# Altium PCB FMC_ADC_250M_16B_4ch_pcb.PcbDoc (part 7 of 8) (continued)
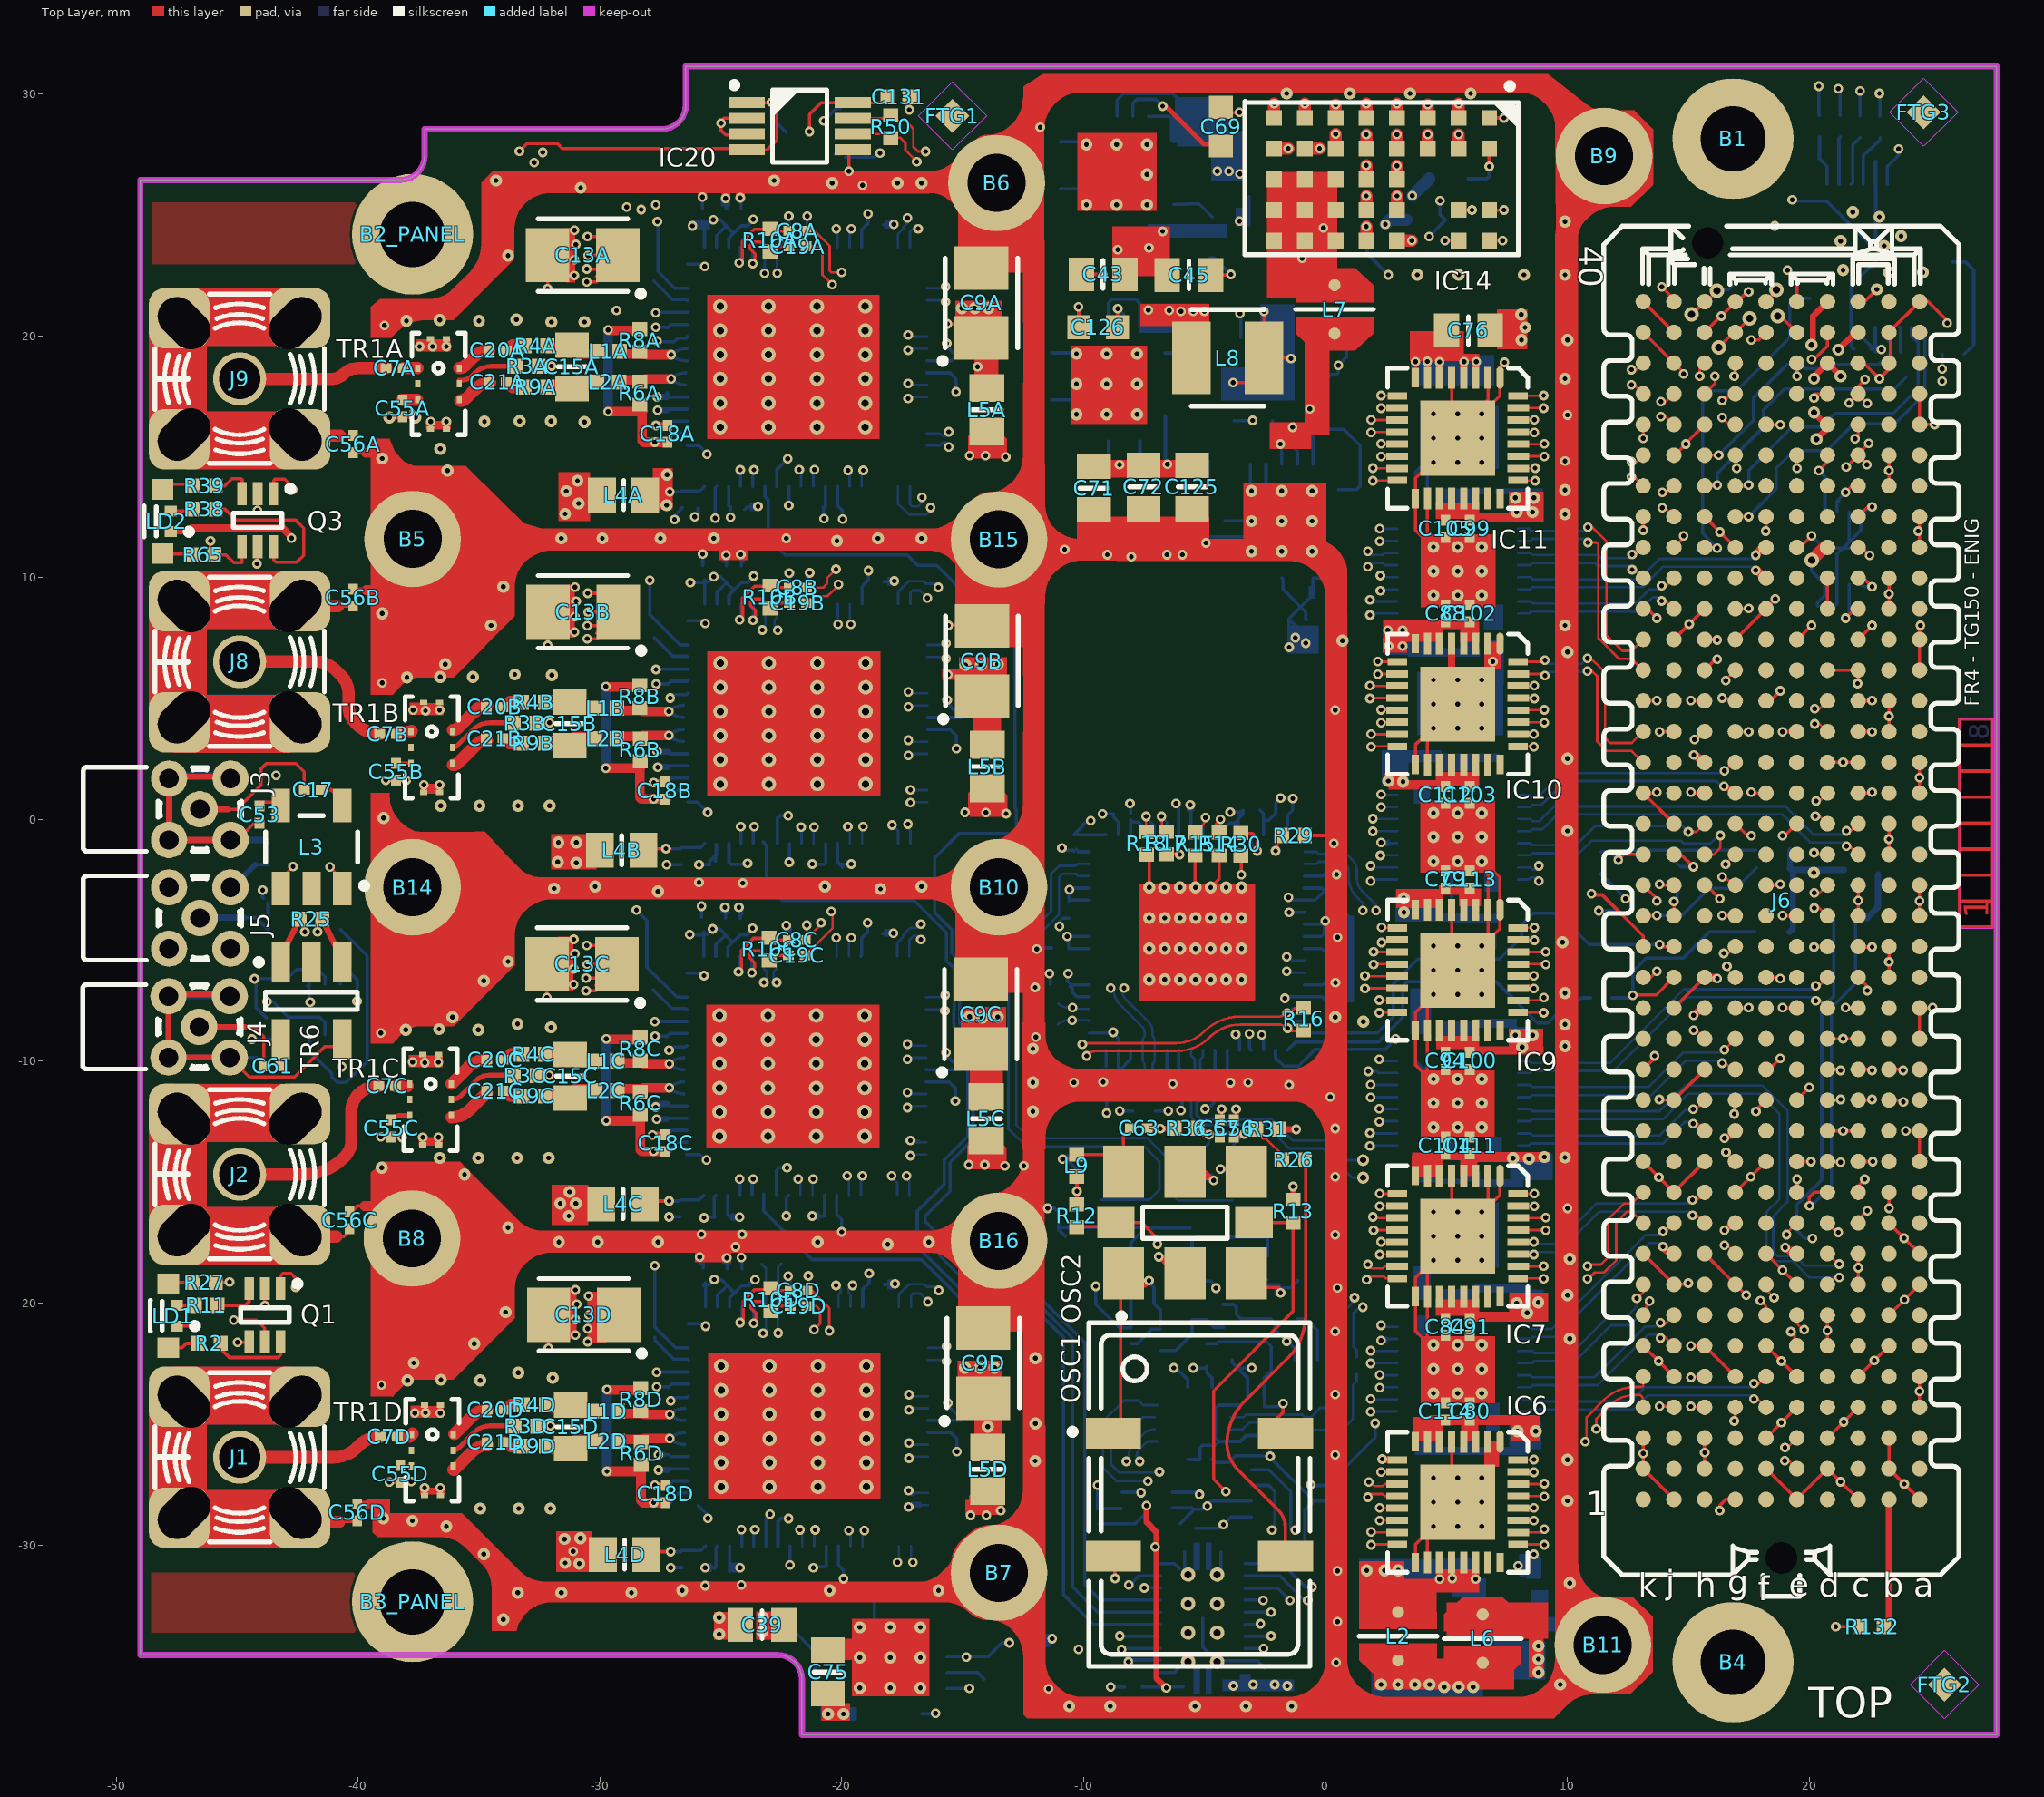
[diagram p0: Top Layer view]
## Polygon pours and split planes (outlines as drawn) (continued)
VADJ on Power (split plane): 104 vertices, not listed, extent -10.604,-37.34 19.009,22.213
P3V3_BUF on Power (split plane): 44 vertices, not listed, extent 1.283,-31.734 9.078,19.647
VADJ_FILT on Power (split plane): 124 vertices, not listed, extent -18.422,-37.34 1.446,27.648
P1V8DD on Power (split plane): 26 vertices, not listed, extent -22.667,-32.044 -12.265,-18.428
P1V8AB on Power (split plane): 24 vertices, not listed, extent -31.311,-2.706 -22.85,10.389
P1V8_AVDD2 on Power (split plane): 59 vertices, not listed, extent -33.422,-2.702 -6.078,29.643
P1V8DC on Power (split plane): 27 vertices, not listed, extent -22.732,-17.544 -12.93,-3.928
P1V8AA on Power (split plane): 28 vertices, not listed, extent -31.325,12.048 -22.887,25.068
P1V8AC on Power (split plane): 26 vertices, not listed, extent -31.353,-17.272 -22.887,-4.178
P3V3D on Power (split plane): 187 vertices, not listed, extent -27.316,-35.597 27.246,30.64
GND on Power (split plane): 349 vertices, not listed, extent -32.587,-33.157 -6.874,25.957
P1V8_AVDD1 on Power (split plane): 89 vertices, not listed, extent -33.422,-37.34 -18.078,-14.857
GND on Power (split plane): 84 vertices, not listed, extent -48.483,-34.04 -27.471,28.04
P1V8AD on Power (split plane): 22 vertices, not listed, extent -31.283,-31.772 -22.836,-18.678

## Keep-outs
Keep-Out Layer:
  lines w0.254: -49,-34.55 -22.644,-34.55 cw(c-22.644,-35.55) -21.644,-35.55 -21.644,-37.85 27.75,-37.85 ; -48.996,26.446 -38.25,26.446 ; -48.994,-34.55 -48.994,26.45 ; -38.244,26.45 ccw(c-38.244,27.45) -37.244,27.45 -37.244,28.55 -27.444,28.55 ccw(c-27.444,29.55) -26.444,29.55 -26.444,31.15 ; -26.425,31.15 27.756,31.15 27.756,-37.85

## Other copper
Top Layer:
  rectangle net P3V7: -2.413,21.552 0.483,26.785
  rectangle net P1V8_AVDD2: -8.814,22.467 -6.426,24.524
  rectangle net VADJ_FILT: -7.645,20.409 -4.801,21.324
  rectangle net GND: -10.275,11.4 -4.789,12.525
  rectangle net NetC73_1: -2.311,15.329 -0.583,16.421
  rectangle net NetC73_1: -0.864,15.913 0.178,19.85
  rectangle net P1V8_OVDD: -9.677,14.135 -5.486,14.872
  rectangle net GND: -15.194,22.625 -12.446,25.425
  rectangle net GND: -15.194,-21.175 -12.294,-18.275
  rectangle net GND: -15.294,-7.175 -12.294,-3.475
  rectangle net GND: -15.294,8.837 -12.648,10.725
  rectangle net GND: -13.194,7.125 -12.394,9.025
  rectangle net P3V3_BUF: 1.383,-31.659 3.262,-30.669
  rectangle net P3V3_BUF: 1.383,-32.85 4.606,-31.405
  rectangle net P3V3_BUF: 3.212,-31.964 6.361,-31.685
  rectangle net P3V3_BUF: 4.583,-31.71 6.361,-30.999
  rectangle net P3V3_BUF: 7.606,-20.458 9.206,-19.569
  rectangle net P3V3_BUF: 6.082,-20.763 9.206,-20.356
  rectangle net P3V3_BUF: 6.133,-14.159 9.308,-13.752
  rectangle net P3V3_BUF: 3.593,-14.083 6.082,-13.778
  rectangle net P3V3_BUF: 7.58,-9.409 9.003,-8.647
  rectangle net P3V3_BUF: 5.802,-9.714 9.028,-9.384
  rectangle net P3V3_BUF: 4.583,-9.485 6.361,-8.952
  rectangle net P3V3_BUF: 4.685,-3.11 5.828,-2.729
  rectangle net P3V3_BUF: 2.921,-3.669 4.863,-2.881
  rectangle net P3V3_BUF: 5.523,-3.592 6.437,-2.856
  rectangle net P3V3_BUF: 2.406,1.425 3.389,1.919
  rectangle net P3V3_BUF: 4.558,1.386 6.361,1.97
  rectangle net P3V3_BUF: 2.373,6.898 3.389,7.507
  rectangle net P3V3_BUF: 7.58,12.664 9.028,13.553
  rectangle net P3V3_BUF: 6.107,12.308 9.028,12.664
  rectangle net GND: 7.098,19.445 8.342,21.096
  rectangle net P1V8_AVDD2: -32.018,-2.068 -30.139,-0.595
  rectangle net P1V8AA: -27.806,12.825 -26.994,14.525
  rectangle net P1V8_AVDD2: -31.713,12.333 -30.393,14.365
  rectangle net P1V8_OVDD: -14.746,14.924 -13.197,15.635
  rectangle net P1V8_OVDD: -14.695,0.116 -13.222,0.827
  rectangle net P1V8_OVDD: -14.772,-14.464 -13.248,-13.676
  rectangle net P1V8DC: -15.076,-8.672 -13.197,-7.758
  rectangle net P1V8DC: -14.695,-11.085 -13.324,-8.418
  rectangle net P1V8DA: -15.305,20.614 -13.349,21.452
  rectangle net P1V8DA: -14.518,18.353 -13.527,20.766
  rectangle net P1V8DB: -15.838,5.78 -15.153,6.212
  rectangle net P1V8DB: -15.153,5.983 -13.171,6.72
  rectangle net P1V8DB: -14.594,3.545 -13.4,6.212
  rectangle net P1V8_OVDD: -14.895,-28.75 -13.3,-28.14
  rectangle net P1V8DD: -15.203,-23.15 -14.416,-22.388
  rectangle net P1V8DD: -14.518,-25.919 -13.375,-22.388
  rectangle net GND: -25.287,-33.92 -24.703,-32.777
  rectangle net P1V8_AVDD1: -23.535,-33.92 -22.874,-32.752
  rectangle net GND: -20.334,-34.758 -19.242,-33.869
  rectangle net P1V8_AVDD1: -20.842,-37.273 -19.648,-36.536
  rectangle net P1V8_AVDD1: -31.815,-31.126 -30.342,-29.424
  rectangle net P1V8_AVDD1: -31.993,-16.775 -30.469,-15.099
  rectangle net GND: -7.66,-3.084 -2.921,-2.642
  rectangle net GND: -3.392,10.911 0.037,13.908
  rectangle net GND: -7.685,-7.493 -2.896,-2.692
  rectangle net GND: -19.572,-36.257 -16.372,-33.056
  rectangle net GND: 3.948,-24.141 7.022,-21.372
  rectangle net GND: 3.948,-13.117 6.996,-10.374
  rectangle net GND: 3.923,-2.195 7.022,0.776
  rectangle net GND: 3.948,8.777 7.047,11.8
  rectangle net GND: -10.25,25.16 -6.974,28.386
  rectangle net GND: -10.541,16.345 -7.366,19.596
  rectangle net GND: -25.567,15.737 -18.429,21.706
  rectangle net GND: -25.567,0.98 -18.404,6.949
  rectangle net GND: -25.592,-13.6 -18.429,-7.656
  rectangle net GND: -25.516,-28.078 -18.404,-22.084
  rectangle net P3V3_BUF: 5.732,18.954 6.367,19.259
  rectangle net P3V3_BUF: 3.497,18.954 5.732,20.199
  rectangle net P3V3_BUF: 3.65,-25.724 4.208,-24.708
  rectangle net GND: 6.571,-26.766 7.18,-25.724
  rectangle net P3V3_BUF: 7.688,-25.724 8.882,-25.038
  rectangle net P3V3_BUF: 4.234,-25.038 8.882,-24.632
  rectangle net P3V3_BUF: 5.605,-25.724 6.317,-24.708
  rectangle net P3V3_BUF: 4.056,-25.724 4.869,-24.683
  rectangle net P3V3_BUF: 4.564,-20.517 6.367,-19.857
  rectangle net P3V3_BUF: 5.58,-14.751 6.291,-13.888
  rectangle net P3V3_BUF: 3.573,-14.777 4.869,-13.888
  rectangle net P3V3_BUF: 4.564,12.427 6.367,13.062
  rectangle net GND: 6.571,6.204 7.256,7.347
  rectangle net P3V3_BUF: 5.58,7.347 6.367,8.236
  rectangle net P3V3_BUF: 2.38,7.347 4.869,8.261
  rectangle net P3V3_BUF: 4.691,7.88 6.342,8.261
  rectangle net GND: 5.072,6.204 5.377,7.22
  rectangle net GND: 4.234,8.896 6.723,9.302
  rectangle net P3V3: 2.006,-35.975 7.806,-34.7
  rectangle net P3V3D: 5.006,-33.875 9.206,-32.375
  rectangle net P3V3D: 8.406,-35.475 9.025,-33.675
  rectangle net P3V3_BUF: 2.606,1.225 4.906,1.625
  rectangle net GND: -37.579,19.355 -36.817,19.863
  rectangle net GND: -37.857,4.321 -37.095,4.829
  rectangle net GND: -37.9,-10.245 -37.138,-9.737
  rectangle net GND: -37.83,-24.745 -37.068,-24.237
  rectangle net GND: -36.779,4.623 -36.474,4.826
  rectangle net GND: -37.423,1.067 -36.474,1.473
  rectangle net GND: -37.135,4.318 -36.449,4.826
  rectangle net GND: -37.49,-13.487 -36.5,-13.132
  rectangle net GND: -31.318,-21.488 -30.963,-19.355
  rectangle net P1V8AD: -30.505,-21.641 -29.718,-19.533
  rectangle net GND: -31.725,-7.112 -31.09,-4.851
  rectangle net GND: -31.318,7.518 -31.039,9.703
  rectangle net GND: -25.095,10.719 -23.876,11.151
  rectangle net GND: -31.402,22.2 -31.013,24.46
  rectangle net GND: -37.44,-27.915 -36.424,-27.635
  rectangle net GND: -37.211,-24.751 -36.449,-24.257
  rectangle net GND: -26.06,-18.313 -24.562,-17.831
  rectangle net GND: -36.817,19.355 -36.182,19.863
  rectangle net GND: -37.198,16.129 -36.157,16.485
  rectangle net GND: -37.363,-10.236 -36.5,-9.754
  rectangle net P3V3_BUF: 4.572,18.644 4.877,18.872
  rectangle net P3V3_BUF: 5.563,18.669 5.867,18.872
  rectangle net P3V3_BUF: 6.071,18.669 6.367,18.954
  rectangle net ADC_BUF_DATA2.D10_N: 8.357,3.404 8.585,3.658
  rectangle net ADC_DATA2.D2_P: 2.388,-5.131 2.565,-4.928
  rectangle net ADC_BUF_DATA1.D14_N: 8.331,-6.604 8.56,-6.35
  rectangle net ADC_BUF_DATA1.D14_P: 8.357,-7.112 8.636,-6.833
  rectangle net ADC_BUF_DATA1.D0_N: 8.255,-17.602 8.687,-17.348
  rectangle net ADC_BUF_DATA1.D0_P: 8.28,-18.11 8.687,-17.856
  rectangle net ADC_DATA0.D6_N: 2.388,-26.619 2.616,-26.34
  rectangle net ADC_BUF_DATA0.D6_P: 8.28,-27.127 8.661,-26.848
  rectangle net ADC_BUF_DATA0.D4_P: 8.28,-28.626 8.611,-28.346
  rectangle net GND: -25.933,25.73 -25.578,26.01
  rectangle net GND: -24.968,25.705 -24.613,26.035
  rectangle net GND: -24.359,25.73 -24.003,26.01
  rectangle net SI_OE: -6.756,-18.263 -6.579,-18.034
  rectangle net NetOSC2_5: -5.156,-14.91 -4.801,-14.63
  rectangle net VCXO_OUT_P: -3.251,-13.106 -3.099,-12.878
  rectangle net VCXO_OUT_P: -3.607,-13.126 -3.429,-12.929
  rectangle net GND: 15.85,-6.731 16.205,-6.375
  rectangle net ADC_BUF_DATA0.D4_N: 8.357,-29.108 8.611,-28.854
  rectangle net ADC_DATA1.D0_N: 2.413,-17.602 2.591,-17.348
  region net ADC_BUF_DATA0.D12_P: 13.995,-17.653 14.109,-17.653 14.262,-17.805 14.249,-17.818 14.249,-17.958 14.046,-17.958 13.919,-17.831
  region net ADC_BUF_DATA0.D6_P: 18.997,-17.678 19.329,-17.678 19.38,-17.729 19.38,-17.932 19.355,-17.932 19.279,-18.009 19.152,-18.009 18.999,-17.856
  region net ADC_BUF_DATA1.D4_N: 16.931,-12.875 16.716,-12.875 16.51,-13.081 16.51,-13.097 16.621,-13.208 16.815,-13.208 16.942,-13.081
  region net ADC_BUF_DATA1.D12_N: 15.189,-7.925 15.215,-7.925 15.443,-7.696 15.621,-7.874 15.621,-7.899 15.367,-8.153
  region net ADC_BUF_DATA2.D10_P: 15.24,2.718 15.494,2.718 15.596,2.616 15.418,2.438 15.418,2.413 15.342,2.413 15.189,2.565
  region net ADC_BUF_DATA2.D10_N: 15.24,3.404 15.469,3.632 15.621,3.48 15.621,3.454 15.57,3.454 15.392,3.277
  region net ADC_BUF_DATA3.D4_N: 17.653,11.074 17.678,11.074 18.009,11.405 18.263,11.151 18.263,11.125 18.186,11.125 17.907,10.846
  region net ADC_BUF_DATA3.D4_P: 17.882,10.465 17.907,10.465 18.237,10.135 18.034,9.931 17.983,9.931 17.729,10.185
  region net VCXO_OUT_N: -5.08,-12.802 -4.978,-12.802 -4.826,-12.954 -4.826,-13.1 -5.08,-13.1
  region net ADC_BUF_DATA3.D6_N: 12.7,11.1 12.751,11.1 12.929,11.278 13.03,11.176 13.03,11.1 12.986,11.1 12.827,10.941
  region net ADC_BUF_DATA1.D2_N: 16.51,-16.815 16.535,-16.815 16.688,-16.662 16.815,-16.789 16.815,-16.822 16.618,-17.018
  region net ADC_BUF_DATA2.D8_P: 16.485,1.422 16.662,1.422 16.815,1.27 16.815,1.245 16.739,1.168 16.612,1.295 16.485,1.295
  region net GND: -35.775,-14.15 -35.539,-14.404 -33.332,-16.611 ccw(c-32.394,-15.672) -32.394,-17 -16.404,-17 -16.4,-17.004 -16.4,-17.904 -31.958,-17.904 ccw(c-31.958,-19.511) -33.094,-18.375 -33.13,-18.411 ccw(c-32.191,-19.35) -33.519,-19.35 -33.519,-20.562 ccw(c-33.455,-20.562) -33.5,-20.606 -36.019,-23.125 cw(c-36.079,-23.065) -36.079,-23.15 -37.444,-23.15 ccw(c-37.444,-24.174) -38.169,-23.45 -38.516,-23.798 ccw(c-38.45,-23.864) -38.544,-23.864 -38.594,-23.864 -38.601,-23.857 -39.462,-23.857 -39.469,-23.85 -39.475,-14.6 -38.975,-14.15
  region net GND: -8.636,10.7 -1.557,10.7 cw(c-1.557,9.074) -0.406,10.224 cw(c-1.388,9.243) 0,9.243 0,-8.394 0.001,-8.393 0.9,-8.393 0.9,10.155 ccw(c-0.526,10.155) 0.483,11.164 ccw(c-0.56,10.121) -0.56,11.595 -8.623,11.595 -8.625,11.597 -8.625,10.708
  region net GND: 9.506,23.991 9.5,23.984 9.5,-34.748 cw(c7.939,-34.748) 9.042,-35.852 cw(c8.01,-34.82) 8.01,-36.279 2.736,-36.279 cw(c2.685,-36.326) 2.754,-36.326 2.754,-37.171 9.441,-37.171 9.444,-37.175 10.007,-36.612 cw(c11.063,-37.668) 11.063,-36.175 12.606,-36.175 13.531,-35.25 13.531,-32.975 12.736,-32.18 11.771,-32.18 cw(c11.771,-31.015) 10.947,-31.839 10.904,-31.795 cw(c12.028,-30.67) 10.438,-30.67 10.438,24.133 10.435,24.136 9.513,24.136 9.506,24.143
  region net GND: -37.059,21.525 ccw(c-37.059,22.891) -36.094,21.925 -35.389,22.63 ccw(c-36.584,23.825) -34.894,23.825 -34.894,26.279 cw(c-34.723,26.279) -34.844,26.4 -34.654,26.4 ccw(c-34.654,26.485) -34.594,26.425 cw(c-34.835,26.184) -34.494,26.184 -34.494,23.508 cw(c-35.176,23.508) -34.694,23.025 -35.999,21.72 cw(c-37.194,22.915) -37.194,21.225 -37.994,21.225 -37.994,21.45
  region net GND: 9.506,23.991 9.511,24.17 9.536,24.449 9.511,28.361 9.511,28.599 ccw(c8.123,28.599) 9.104,29.58 9.017,29.667 ccw(c8.063,28.714) 8.063,30.063 -10.122,30.063 ccw(c-10.122,28.588) -11.165,29.631 -11.191,29.605 ccw(c-10.15,28.564) -11.622,28.564 -12.435,28.564 -12.435,29.747 ccw(c-12.522,29.747) -12.46,29.809 cw(c-12.399,29.87) -12.486,29.87 -12.486,30.317 -11.694,30.825 9.206,30.825 10.694,29.667 ccw(c11.517,30.491) 11.517,29.326 12.787,29.326 ccw(c12.849,29.326) 12.805,29.283 13.549,28.539 13.549,26.278 cw(c13.488,26.278) 13.531,26.235 12.635,25.338 11.961,25.338 ccw(c11.961,23.777) 10.857,24.881 10.749,24.772 ccw(c11.529,23.992) 10.425,23.992
  region net GND: -8.625,10.708 -10.025,10.708 ccw(c-10.025,9.06) -11.19,10.225 ccw(c-10.209,9.244) -11.597,9.244 -11.597,8.93 -12.003,8.93 -12.003,14.67 -11.597,14.67 -11.597,13.01 ccw(c-10.209,13.01) -11.19,12.029 ccw(c-10.148,13.071) -10.148,11.597 -8.625,11.597
  region net GND: 0.011,-13.371 ccw(c-1.951,-13.371) -0.564,-11.984 -0.598,-11.949 ccw(c-1.273,-12.624) -1.273,-11.67 -2.122,-11.67 -2.122,-10.323 -1.417,-10.323 ccw(c-1.417,-9.023) -0.497,-9.942 ccw(c-1.662,-8.777) -0.014,-8.777 -0.014,-8.393 0.9,-8.393 0.9,-13.371
  region net GND: -1.513,-36.282 ccw(c-1.513,-34.749) -0.429,-35.833 -0.421,-35.825 ccw(c-1.463,-34.783) 0.011,-34.783 0.011,-13.371 0.9,-13.371 0.9,-34.793 ccw(c2.288,-34.793) 1.307,-35.774 ccw(c2.533,-34.548) 2.533,-36.282 2.729,-36.282 cw(c2.668,-36.344) 2.754,-36.344 2.754,-37.171 -1.513,-37.171
  region net GND: -12.511,-8.393 -11.571,-8.393 -11.571,-8.982 ccw(c-10.357,-8.982) -11.216,-9.841 ccw(c-10.05,-8.676) -10.05,-10.323 -2.122,-10.323 -2.122,-11.67 -10.169,-11.67 ccw(c-10.169,-12.97) -11.089,-12.051 -11.194,-12.156 ccw(c-10.283,-13.067) -11.571,-13.067 -11.571,-13.625 -12.511,-13.625
  region net GND: -12.5,-25.1 -12.5,-27.731 cw(c-13.925,-27.731) -12.917,-28.738 -13.044,-28.865 cw(c-13.781,-28.128) -13.781,-29.17 ccw(c-13.781,-30.642) -14.822,-29.601 -15.153,-29.932 -15.33,-30.186 -15.407,-30.339 -15.407,-30.346 cw(c-16.187,-30.346) -15.635,-30.897 -15.875,-31.137 cw(c-16.829,-30.183) -16.829,-31.532 -17.086,-31.532 -17.094,-31.525 -17.094,-32.375 -15.717,-32.375 cw(c-15.717,-33.748) -14.746,-32.777 ccw(c-13.949,-31.98) -13.949,-33.107 -13.857,-33.107 cw(c-13.857,-34.334) -12.99,-33.466 -12.968,-33.488 cw(c-14.133,-34.653) -12.486,-34.653 -12.486,-37.019 -12.333,-37.171 -1.513,-37.171 -1.513,-36.282 -10.082,-36.282 cw(c-10.082,-34.895) -11.063,-35.876 -11.212,-35.727 cw(c-10.345,-34.86) -11.571,-34.86 -11.571,-25.081 -12.454,-25.081 ccw(c-12.454,-25.146)
  region net GND: -16.402,26.818 -16.35,26.818 ccw(c-16.35,28.277) -15.319,27.245 -14.423,28.14 cw(c-14,27.717) -14,28.316 -13.935,28.316 ccw(c-13.935,29.611) -13.019,28.695 -12.936,28.778 ccw(c-14.002,29.845) -12.494,29.845 -12.475,29.853 -11.625,29.853 -11.622,18.048 -12.486,18.048 -12.5,23.041 ccw(c-13.673,23.041) -12.844,23.87 -12.997,24.024 ccw(c-13.894,23.128) -13.894,24.395 cw(c-13.894,25.414) -14.614,24.694 -15.438,25.517 ccw(c-16.4,24.555) -16.4,25.916
  region net GND: -16.402,-17.002 -16.35,-17.002 ccw(c-16.35,-15.544) -15.319,-16.575 -14.423,-15.68 cw(c-14,-16.103) -14,-15.504 -13.935,-15.504 ccw(c-13.935,-14.209) -13.019,-15.125 -12.936,-15.042 ccw(c-14.002,-13.975) -12.494,-13.975 -12.494,-10.975 -11.619,-10.975 -11.619,-25.1 -12.5,-25.1 -12.5,-20.779 ccw(c-13.673,-20.779) -12.844,-19.95 -12.997,-19.796 ccw(c-13.894,-20.692) -13.894,-19.425 cw(c-13.894,-18.406) -14.614,-19.126 -15.438,-18.303 ccw(c-16.4,-19.265) -16.4,-17.904
  region net GND: -16.402,-2.402 -16.35,-2.402 ccw(c-16.35,-0.944) -15.319,-1.975 -14.423,-1.08 cw(c-14,-1.503) -14,-0.904 -13.935,-0.904 ccw(c-13.935,0.391) -13.019,-0.525 -12.936,-0.442 ccw(c-14.002,0.625) -12.494,0.625 -12.494,3.625 -11.619,3.625 -11.622,-10.984 -12.486,-10.984 -12.5,-6.179 ccw(c-13.673,-6.179) -12.844,-5.35 -12.997,-5.196 ccw(c-13.894,-6.092) -13.894,-4.825 cw(c-13.894,-3.806) -14.614,-4.526 -15.438,-3.703 ccw(c-16.4,-4.665) -16.4,-3.304
  region net GND: -16.402,12.023 -16.35,12.023 ccw(c-16.35,13.481) -15.319,12.45 -14.423,13.345 cw(c-14,12.922) -14,13.521 -13.935,13.521 ccw(c-13.935,14.816) -13.019,13.9 -12.936,13.983 ccw(c-14.002,15.05) -12.494,15.05 -12.494,18.05 -11.619,18.05 -11.622,3.621 -12.486,3.621 -12.5,8.245 ccw(c-13.673,8.245) -12.844,9.075 -12.997,9.229 ccw(c-13.894,8.333) -13.894,9.6 cw(c-13.894,10.619) -14.614,9.899 -15.438,10.722 ccw(c-16.4,9.76) -16.4,11.121
  region net GND: -39.469,19.925 -39.469,21.2 -39.094,21.525 -36.494,21.525 -34.844,23.1 -34.844,26.4 -34.419,26.8 -16.39,26.8 -16.394,25.875 -31.944,25.9 -32.032,25.9 ccw(c-32.032,24.364) -33.119,25.45 ccw(c-32.093,24.424) -33.544,24.424 -33.544,23.175 -36.026,20.693 ccw(c-35.983,20.65) -36.044,20.65 -37.186,20.65 ccw(c-37.186,18.943) -38.394,20.15 -38.605,19.938 -38.605,19.925
  region net GND: -39.381,-28.1 -38.675,-28.1 -38.675,-28.7 -35.692,-28.7 -35.488,-28.9 -35.489,-28.904 -33.331,-31.063 ccw(c-32.215,-29.946) -32.215,-31.525 -17.094,-31.525 -17.094,-32.375 -31.993,-32.375 ccw(c-31.993,-33.826) -33.019,-32.8 -33.176,-32.957 ccw(c-33.133,-33) -33.194,-33 -33.369,-33.275 -33.444,-33.55 -34.469,-33.55 -34.469,-31.775 ccw(c-35.857,-31.775) -34.875,-30.793 -35.594,-30.075 -35.894,-29.85 -36.069,-29.775 -36.244,-29.725 -36.519,-29.675 -39.194,-29.675 -39.394,-29.475
  region net GND: -38.675,0.7 -38.589,0.419 -38.45,0.15 -38.226,-0.109 -37.956,-0.325 -37.65,-0.475 -37.25,-0.511 -35.15,-0.5 -34.766,-0.503 -33.875,-1.45 -33.202,-2.126 -33.025,-2.254 -32.74,-2.366 -32.394,-2.4 -16.404,-2.4 -16.4,-2.404 -16.4,-3.304 -31.958,-3.304 ccw(c-31.958,-4.911) -33.094,-3.775 -33.13,-3.811 ccw(c-32.191,-4.75) -33.519,-4.75 -33.519,-5.962 ccw(c-33.455,-5.962) -33.5,-6.006 -36.019,-8.525 cw(c-36.079,-8.465) -36.079,-8.55 -37.444,-8.55 ccw(c-37.444,-9.574) -38.169,-8.85 -38.516,-9.198 ccw(c-38.45,-9.264) -38.544,-9.264 -38.594,-9.264 -38.601,-9.257 -39.462,-9.257 -39.469,-9.25 -39.469,1.1 -38.698,1.099
  region net GND: -37.117,14.621 -35.539,14.621 -34.019,13.1 -33.155,12.25 -32.394,12.025 -16.404,12.025 -16.4,12.021 -16.4,11.121 -31.958,11.121 ccw(c-31.958,9.514) -33.094,10.65 -33.13,10.614 ccw(c-32.191,9.675) -33.519,9.675 -33.519,8.463 ccw(c-33.455,8.463) -33.5,8.419 -36.019,5.9 cw(c-36.079,5.96) -36.079,5.875 -37.444,5.875 ccw(c-37.444,4.851) -38.169,5.575 -38.516,5.227 ccw(c-38.45,5.161) -38.544,5.161 -38.594,5.161 -38.601,5.168 -39.462,5.168 -39.469,5.175 -39.475,15.75 -38.706,15.75 -38.475,15.2 -38.1,14.8 -37.675,14.625
  text "1" at 27.425,-4.1 h1.02 r90
L5:
  text "5" at 27.45,0.075 h1.02 r90
L3:
  rectangle net CLKDIVRST_P: -23.165,7.722 -23.038,7.95
  pour cut-out: -44.911,-25.358 cw(c-44.911,-26.398) -44.175,-25.662 -44.173,-25.665 cw(c-44.78,-26.272) -43.921,-26.272 -43.921,-26.446 cw(c-44.789,-26.446) -44.175,-27.059 cw(c-44.911,-26.324) -44.911,-27.364 -45.021,-27.364 cw(c-45.021,-26.584) -45.572,-27.136 -45.669,-27.039 cw(c-45.105,-26.475) -45.903,-26.475 -45.903,-26.373 cw(c-44.862,-26.373) -45.598,-25.637 cw(c-44.923,-26.312) -44.923,-25.358
  pour cut-out: -44.911,-13.658 cw(c-44.911,-14.698) -44.175,-13.962 -44.173,-13.965 cw(c-44.78,-14.572) -43.921,-14.572 -43.921,-14.746 cw(c-44.789,-14.746) -44.175,-15.359 cw(c-44.911,-14.624) -44.911,-15.664 -45.021,-15.664 cw(c-45.021,-14.884) -45.572,-15.436 -45.669,-15.339 cw(c-45.105,-14.775) -45.903,-14.775 -45.903,-14.673 cw(c-44.862,-14.673) -45.598,-13.937 cw(c-44.923,-14.612) -44.923,-13.658
  pour cut-out: -44.911,7.542 cw(c-44.911,6.502) -44.175,7.238 -44.173,7.235 cw(c-44.78,6.628) -43.921,6.628 -43.921,6.454 cw(c-44.789,6.454) -44.175,5.841 cw(c-44.911,6.576) -44.911,5.536 -45.021,5.536 cw(c-45.021,6.316) -45.572,5.764 -45.669,5.861 cw(c-45.105,6.425) -45.903,6.425 -45.903,6.527 cw(c-44.862,6.527) -45.598,7.263 cw(c-44.923,6.588) -44.923,7.542
  pour cut-out: -44.899,19.229 cw(c-44.899,18.189) -44.164,18.924 -44.161,18.922 cw(c-44.768,18.315) -43.91,18.315 -43.91,18.141 cw(c-44.777,18.141) -44.164,17.527 cw(c-44.899,18.263) -44.899,17.223 -45.009,17.223 cw(c-45.009,18.003) -45.561,17.451 -45.657,17.548 cw(c-45.094,18.112) -45.891,18.112 -45.891,18.214 cw(c-44.85,18.214) -45.586,18.95 cw(c-44.911,18.275) -44.911,19.229
  text "3" at 27.45,-2.1 h1.02 r90
GND(SMAGND):
  pour cut-out: 27.675,-4.875 25.675,-4.875 25.675,4.75 27.675,4.75
  text "2" at 27.425,-3.175 h1.02 r90
Bottom Layer:
  rectangle net P3V3: -4.318,17.323 -1.981,18.694
  rectangle net P3V3: -2.692,17.323 -1.27,21.311
  rectangle net GND: -3.708,24.536 -3.099,25.298
  rectangle net P3V3CLK: -1.575,6.858 -0.279,8.026
  rectangle net P3V3_BUF: 2.896,-3.897 3.593,-2.907
  rectangle net VADJ_FILT: -7.722,20.13 -4.801,21.349
  rectangle net VADJ_FILT: -5.994,19.215 -4.826,20.612
  rectangle net P1V8_OVDD: -9.677,14.161 -4.775,14.872
  rectangle net P1V8_AVDD2: -7.341,24.067 -4.089,24.626
  rectangle net VADJ_FILT: -4.724,26.429 -3.302,28.461
  rectangle net VADJ_FILT: -6.426,28.029 -5.715,29.096
  rectangle net VADJ_FILT: -6.121,27.826 -3.988,29.883
  rectangle net P3V3_BUF: 2.323,1.386 3.44,2.859
  rectangle net P3V3_BUF: 2.627,2.351 4.812,2.859
  rectangle net P3V3_BUF: 4.583,2.377 7.199,2.732
  rectangle net GND: 8.012,-31.304 8.876,-30.364
  rectangle net P3V3_BUF: 5.244,-32.142 6.641,-31.38
  rectangle net P3V3_BUF: 1.383,-31.685 5.218,-30.567
  rectangle net GND: 4.05,-29.754 6.996,-27.138
  rectangle net P3V3_BUF: 7.606,-26.046 8.927,-24.928
  rectangle net GND: 6.641,-25.284 7.199,-24.116
  rectangle net P3V3_BUF: 5.625,-26.071 6.31,-25.309
  rectangle net GND: 5.117,-25.055 5.294,-24.09
  rectangle net P3V3_BUF: 3.567,-26.021 4.863,-25.335
  rectangle net P3V3_BUF: 3.694,-26.275 8.317,-25.944
  rectangle net GND: 3.618,-19.874 4.355,-18.477
  rectangle net GND: 3.745,-21.347 4.329,-20.509
  rectangle net P3V3_BUF: 7.682,-20.687 9.028,-19.442
  rectangle net P3V3_BUF: 6.133,-19.569 8.546,-19.213
  rectangle net GND: 3.948,-18.528 7.174,-15.835
  rectangle net P3V3_BUF: 7.631,-14.921 9.406,-13.829
  rectangle net P3V3_BUF: 6.158,-15.175 8.19,-14.87
  rectangle net GND: 6.691,-13.854 7.301,-13.117
  rectangle net GND: 6.666,-13.905 6.844,-13.168
  rectangle net GND: 5.066,-13.879 5.345,-13.092
  rectangle net P3V3_BUF: 7.606,-9.688 8.52,-8.571
  rectangle net P3V3_BUF: 6.158,-8.622 7.911,-8.241
  rectangle net GND: 3.506,-8.876 4.38,-6.975
  rectangle net GND: 4.278,-7.58 7.022,-7.047
  rectangle net GND: 4.202,-5.345 7.072,-4.735
  rectangle net P3V3_BUF: 2.896,-4.227 5.726,-3.872
  rectangle net P3V3_BUF: 5.091,-4.253 7.149,-3.897
  rectangle net GND: 6.564,-2.983 7.174,-2.221
  rectangle net GND: 3.669,0.649 4.329,1.462
  rectangle net GND: 3.796,3.494 7.352,5.704
  rectangle net P3V3_BUF: 7.58,12.46 9.028,13.553
  rectangle net P3V3_BUF: 7.047,13.451 9.003,13.68
  rectangle net GND: 3.923,14.492 7.174,17.109
  rectangle net VADJ: -3.545,-35.673 -3.088,-35.342
  rectangle net VADJ: -4.256,-36.054 -1.294,-35.571
  rectangle net GND: -25.287,-33.92 -24.678,-32.777
  rectangle net P1V8_AVDD1: -23.535,-33.92 -22.9,-32.752
  rectangle net P1V8_AVDD1: -20.868,-37.019 -19.877,-35.927
  rectangle net P1V8_AVDD1: -20.868,-37.273 -19.369,-36.714
  rectangle net P3V3_BUF: 3.523,17.913 6.977,19.208
  rectangle net P3V3_BUF: 4.691,-31.617 6.266,-30.55
  rectangle net P3V3_BUF: 4.564,-9.036 6.367,-8.351
  rectangle net P3V3_BUF: 5.58,-4.033 6.317,-3.321
  rectangle net P3V3_BUF: 3.573,-4.033 4.869,-3.321
  rectangle net P3V3_BUF: 4.589,1.987 6.367,2.597
  rectangle net P3V3_BUF: 6.367,13.443 6.875,13.697
  rectangle net P3V3_BUF: 4.564,13.062 6.367,13.697
  rectangle net P3V3_BUF: 4.818,-15.056 5.809,-14.853
  rectangle net P3V3_BUF: 3.573,-15.005 4.869,-14.472
  rectangle net P3V3_BUF: 5.58,-14.98 6.393,-14.523
  rectangle net P3V3_BUF: 4.564,-20.009 6.367,-19.425
  rectangle net P3V3_BUF: 2.405,6.813 4.869,7.88
  rectangle net P3V3_BUF: 5.58,6.788 6.367,7.931
  rectangle net P3V3_BUF: 3.421,6.737 6.393,7.093
  rectangle net GND: 5.097,7.855 5.351,8.871
  rectangle net GND: 3.802,5.518 6.723,6.102
  rectangle net GND: 6.545,7.855 7.358,8.896
  rectangle net GND: 6.596,5.543 7.383,7.448
  rectangle net P3V3: 1.906,-36.275 6.506,-35.075
  rectangle net P3V3D: 6.806,-35.575 9.106,-33.975
  rectangle net P3V3D: 6.506,-34.175 7.506,-33.475
  rectangle net GND: 8.506,-32.675 9.206,-31.875
  rectangle net GND: 8.906,-33.575 10.006,-32.975
  rectangle net ADC_DATA0.D12_P: 2.311,-21.641 2.565,-21.387
  rectangle net P3V3_BUF: 5.105,-31.674 5.461,-31.572
  rectangle net P3V3CLK: -3.81,-0.203 -3.607,-0.127
  rectangle net P3V3CLK: -3.607,0.076 -3.474,0.305
  rectangle net P3V3CLK: -5.74,0.33 -5.41,0.635
  rectangle net ADC_DATA2.D6_N: 2.261,-1.118 2.642,-0.838
  rectangle net GND: -24.994,25.349 -24.613,25.679
  rectangle net P1V8AA: -26.137,24.359 -25.451,24.765
  rectangle net GND: -24.968,10.617 -24.638,10.947
  rectangle net GND: -24.232,10.617 -23.998,10.973
  rectangle net GND: -19.837,-2.007 -19.583,-1.676
  rectangle net GND: -22.377,-4.699 -22.047,-4.449
  rectangle net ADC_DATA1.D6_N: -17.134,-13.411 -16.789,-13.233
  rectangle net GND: -18.11,-19.431 -17.805,-19.025
  rectangle net GND: -22.327,-19.152 -22.047,-18.898
  rectangle net GND: -24.943,-18.39 -24.562,-18.11
  rectangle net GND: -25.908,-18.44 -25.705,-18.11
  rectangle net P1V8AD: -24.689,-31.14 -24.206,-30.734
  rectangle net GND: -25.654,-31.85 -25.298,-31.496
  rectangle net ADC_DATA0.D6_P: -17.12,-28.448 -16.713,-28.219
  rectangle net GND: -18.237,-4.851 -17.907,-4.521
  rectangle net GND: -23.8,12.751 -23.47,13.106
  rectangle net P1V8AC: -24.587,-16.586 -24.308,-16.281
  rectangle net GND: -25.019,-3.886 -24.638,-3.632
  rectangle net GND: -24.308,-3.937 -24.054,-3.658
  rectangle net GND: -18.11,9.677 -17.805,10.033
  rectangle net GND: -11.684,-34.239 -11.354,-33.68
  rectangle net NetC59_2: -10.897,-14.224 -10.528,-13.843
  rectangle net P3V3CLK: -0.686,9.128 -0.406,9.652
  rectangle net P3V3CLK: 0.889,-7.569 1.194,-3.988
  rectangle net P3V3CLK: 0.127,-7.569 1.194,-7.163
  rectangle net P3V3CLK: 0.051,-5.537 0.94,-5.232
  rectangle net P3V3D: 22.682,19.279 22.987,19.609
  rectangle net GA0: 21.184,13.106 21.285,13.259
  rectangle net GND: -18.186,24.435 -17.907,24.79
  rectangle net P1V8AD: -25.654,-31.115 -25.349,-30.759
  rectangle net P1V8DC: -21.234,-16.561 -20.904,-16.205
  text "8." at 27.425,3.975 h0.8 r90
GND (Plane2) (plane layer: these items are gaps in the copper):
  lines w0.254: -3.048,31.013 -3.048,22.022 8.865,22.022 8.89,21.996 8.89,26.518
  text "6" at 27.425,1.15 h1.02 r90
GND (plane layer: these items are gaps in the copper):
  lines w0.254: -3.023,30.988 -3.023,22.047 -2.997,22.022 8.839,22.022 8.915,22.098 8.915,26.467 8.89,26.492
  text "4" at 27.425,-1.05 h1.02 r90